# KiCad board KB-PCB-R02_KiCad.kicad_pcb (continued)
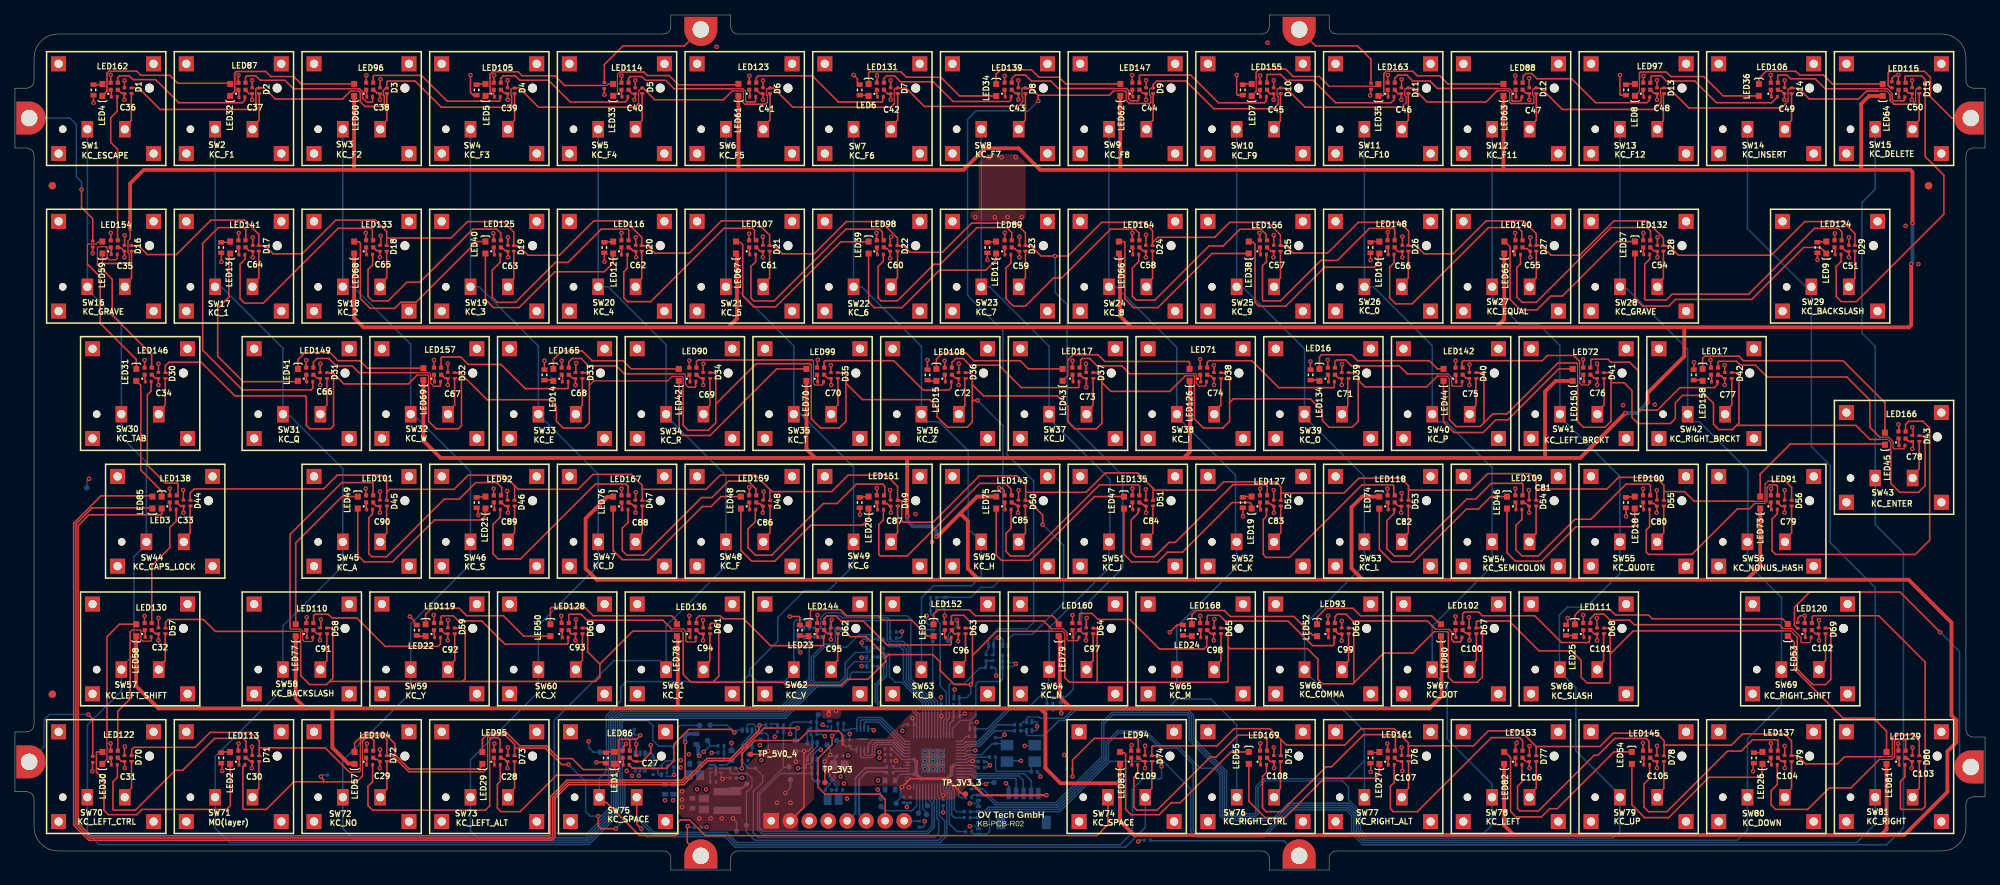
[diagram p0: board, top side]
## Placement (name value [footprint] x y rotation side) (continued)
LED142  SK6805-EC15  [LED 0606 RGB SK6805-EC15]  193.09 66.7 0 top
LED143  SK6805-EC15  [LED 0606 RGB SK6805-EC15]  132.79 49.63 0 top
LED144  SK6805-EC15  [LED 0606 RGB SK6805-EC15]  107.72 32.56 0 top
LED145  SK6805-EC15  [LED 0606 RGB SK6805-EC15]  218.16 15.48 0 top
LED146  SK6805-EC15  [LED 0606 RGB SK6805-EC15]  17.81 66.7 0 top
LED147  SK6805-EC15  [LED 0606 RGB SK6805-EC15]  149.86 104.81 0 top
LED148  SK6805-EC15  [LED 0606 RGB SK6805-EC15]  183.99 83.73 0 top
LED149  SK6805-EC15  [LED 0606 RGB SK6805-EC15]  39.42 66.7 0 top
LED150  SK6805-EC15  [LED 0606 RGB SK6805-EC15]  210.16 66.7 0 top
LED151  SK6805-EC15  [LED 0606 RGB SK6805-EC15]  115.72 49.63 0 top
LED152  SK6805-EC15  [LED 0606 RGB SK6805-EC15]  124.79 32.56 0 top
LED153  SK6805-EC15  [LED 0606 RGB SK6805-EC15]  201.09 15.48 0 top
LED154  SK6805-EC15  [LED 0606 RGB SK6805-EC15]  13.28 83.73 0 top
LED155  SK6805-EC15  [LED 0606 RGB SK6805-EC15]  166.94 104.81 0 top
LED156  SK6805-EC15  [LED 0606 RGB SK6805-EC15]  166.92 83.73 0 top
LED157  SK6805-EC15  [LED 0606 RGB SK6805-EC15]  56.5 66.7 0 top
LED158  SK6805-EC15  [LED 0606 RGB SK6805-EC15]  227.23 66.7 0 top
LED159  SK6805-EC15  [LED 0606 RGB SK6805-EC15]  98.64 49.63 0 top
LED160  SK6805-EC15  [LED 0606 RGB SK6805-EC15]  141.86 32.56 0 top
LED161  SK6805-EC15  [LED 0606 RGB SK6805-EC15]  184.01 15.48 0 top
LED162  SK6805-EC15  [LED 0606 RGB SK6805-EC15]  13.28 104.81 0 top
LED163  SK6805-EC15  [LED 0606 RGB SK6805-EC15]  184.01 104.81 0 top
LED164  SK6805-EC15  [LED 0606 RGB SK6805-EC15]  149.86 83.73 0 top
LED165  SK6805-EC15  [LED 0606 RGB SK6805-EC15]  73.57 66.7 0 top
LED166  SK6805-EC15  [LED 0606 RGB SK6805-EC15]  252.31 58.17 0 top
LED167  SK6805-EC15  [LED 0606 RGB SK6805-EC15]  81.57 49.63 0 top
LED168  SK6805-EC15  [LED 0606 RGB SK6805-EC15]  158.94 32.56 0 top
LED169  SK6805-EC15  [LED 0606 RGB SK6805-EC15]  166.94 15.48 0 top
MP1  Edge_2,2mm  [MP_Keyboard_EdgeMounts_2.2mm]  1.9 14.47 0 top
MP2  Edge_2,2mm  [MP_Keyboard_EdgeMounts_2.2mm]  1.9 100.56 0 top
MP3  Edge_2,2mm  [MP_Keyboard_EdgeMounts_2.2mm]  91.7 1.9 90 top
MP4  Edge_2,2mm  [MP_Keyboard_EdgeMounts_2.2mm]  171.7 1.9 90 top
MP5  Edge_2,2mm  [MP_Keyboard_EdgeMounts_2.2mm]  91.7 112.4 270 top
MP6  Edge_2,2mm  [MP_Keyboard_EdgeMounts_2.2mm]  171.7 112.4 270 top
MP7  Edge_2,2mm  [MP_Keyboard_EdgeMounts_2.2mm]  261.5 13.79 180 top
MP8  Edge_2,2mm  [MP_Keyboard_EdgeMounts_2.2mm]  261.5 100.56 180 top
Q2  PMG85XP  [TSOP65P210X110-6N]  83.56 14.51 270 bottom
Q3  PMZ130UNEYL  [DFN65P98X50-3N]  100.78 19.34 180 bottom
Q4  PMZ130UNEYL  [DFN65P98X50-3N]  86.84 12.75 180 bottom
R1  27R 1%  [RESC1005X04L]  117.01 12.99 0 bottom
R2  27R 1%  [RESC1005X04L]  117 13.8 0 bottom
R3  10k 1%  [RESC1005X04L]  117.42 31.02 180 bottom
R4  10k 1%  [RESC1005X04L]  125.9 20.51 0 bottom
R5  10k 1%  [RESC1005X04L]  132.45 27.89 180 bottom
R6  10k 1%  [RESC1005X04L]  138.38 21.43 180 bottom
R7  10k 1%  [RESC1005X04L]  122.8 35.53 180 bottom
R8  10k 1%  [RESC1005X04L]  130.75 28.39 270 bottom
R9  1k 1%  [RESC1005X04L]  130.72 15.11 0 bottom
R10  10k 1% DNP  [RESC1005X04L]  110.79 18.31 90 bottom
R11  1k 1%  [RESC1005X04L]  110.42 19.59 0 bottom
R12  0Ohm 1%  [RESC1005X04L]  10.4 14.81 90 top
R13  0Ohm 1%  [RESC1005X04L]  10.4 83.71 90 top
R14  0Ohm 1%  [RESC1005X04L]  91.28 5.7 180 bottom
R15  0Ohm 1%  [RESC1005X04L]  151.4 4.01 0 bottom
R16  0Ohm 1%  [RESC1005X04L]  78.8 104.91 90 top
R17  0Ohm 1%  [RESC1005X04L]  181.31 104.81 90 top
R18  0Ohm 1%  [RESC1005X04L]  238.36 32.72 270 top
R19  0Ohm 1%  [RESC1005X04L]  250.94 105 270 top
R20  100k 1%  [RESC1005X04L]  108.76 10.71 180 bottom
R21  100k 1%  [RESC1005X04L]  110.26 10.7 180 bottom
R22  113 Ohm 1%  [RESC1608X04L]  79 14.99 270 top
R23  113 Ohm 1%  [RESC1608X04L]  27.57 14.99 270 top
R24  113 Ohm 1%  [RESC1608X04L]  91.1 17.51 270 bottom
R25  113 Ohm 1%  [RESC1608X04L]  10.5 104.32 270 top
R26  113 Ohm 1%  [RESC1608X04L]  61.72 104.32 270 top
R27  113 Ohm 1%  [RESC1608X04L]  112.94 104.32 90 top
R28  113 Ohm 1%  [RESC1608X04L]  164.16 104.32 270 top
R29  113 Ohm 1%  [RESC1608X04L]  215.4 104.32 270 top
R30  113 Ohm 1%  [RESC1608X04L]  240.99 83.25 270 top
R31  113 Ohm 1%  [RESC1608X04L]  181.24 83.24 270 top
R32  113 Ohm 1%  [RESC1608X04L]  130.01 83.24 270 top
R33  113 Ohm 1%  [RESC1608X04L]  78.8 83.24 270 top
R34  113 Ohm 1%  [RESC1608X04L]  27.57 83.24 270 top
R35  113 Ohm 1%  [RESC1608X04L]  70.79 66.21 90 top
R36  113 Ohm 1%  [RESC1608X04L]  122.01 66.21 90 top
R37  113 Ohm 1%  [RESC1608X04L]  173.23 66.21 90 top
R38  113 Ohm 1%  [RESC1608X04L]  224.46 66.21 90 top
R39  113 Ohm 1%  [RESC1608X04L]  215.38 49.14 270 top
R40  113 Ohm 1%  [RESC1608X04L]  164.16 49.14 270 top
R41  113 Ohm 1%  [RESC1608X04L]  112.94 49.14 270 top
R42  113 Ohm 1%  [RESC1608X04L]  61.72 49.14 270 top
R43  113 Ohm 1%  [RESC1608X04L]  53.72 32.07 90 top
R44  113 Ohm 1%  [RESC1608X04L]  104.94 32.07 90 top
R45  113 Ohm 1%  [RESC1608X04L]  156.16 32.07 90 top
R46  113 Ohm 1%  [RESC1608X04L]  207.38 32.07 90 top
R47  113 Ohm 1%  [RESC1608X04L]  232.5 14.99 270 top
R48  113 Ohm 1%  [RESC1608X04L]  181.24 14.99 270 top
R49  10k 1%  [RESC1005X04L]  120.89 6.14 270 bottom
R50  100R 1%  [RESC1005X04L]  106.93 12.9 0 bottom
R51  100R 1%  [RESC1005X04L]  106.79 18.97 0 bottom
R52  47k 1%  [RESC1005X04L]  106.8 19.79 0 bottom
R53  47k 1%  [RESC1005X04L]  106.1 13.71 0 bottom
R54  88.7 Ohm 1%  [RESC1608X04L]  104.4 16.61 270 bottom
R55  47k 1%  [RESC1005X04L]  96 13.61 180 bottom
R56  750k 1%  [RESC1005X04L]  94.4 16.61 0 bottom
R57  100R 1%  [RESC1005X04L]  102.35 19.39 180 bottom
R58  68k 1%  [RESC1005X04L]  94.4 15.71 0 bottom
R59  47k 1%  [RESC1005X04L]  102.35 18.48 0 bottom
R60  100R 1%  [RESC1005X04L]  97.6 15.47 180 bottom
R61  470R 1%  [RESC1005X04L]  81.72 14.08 180 top
R62  470R 1%  [RESC1005X04L]  141 13.51 0 bottom
R63  100k 1%  [RESC1005X04L]  85.33 13.16 270 bottom
R64  100R 1%  [RESC1005X04L]  85.33 14.67 90 bottom
R65  100R 1%  [RESC1005X04L]  86.85 13.91 0 bottom
R66  47k 1%  [RESC1005X04L]  88.1 14.21 90 bottom
R67  470R 1%  [RESC1005X04L]  64.5 14.08 0 top
R68  470R 1%  [RESC1005X04L]  47.43 103.41 0 top
R69  470R 1%  [RESC1005X04L]  218.17 103.35 0 top
R70  470R 1%  [RESC1005X04L]  115.71 82.31 0 top
R71  470R 1%  [RESC1005X04L]  107.72 65.3 0 top
R72  470R 1%  [RESC1005X04L]  218.16 48.21 0 top
R73  470R 1%  [RESC1005X04L]  47.42 48.21 0 top
R74  470R 1%  [RESC1005X04L]  193.08 31.11 0 top
R75  470R 1%  [RESC1005X04L]  47.42 14.08 0 top
R76  470R 1%  [RESC1005X04L]  64.49 103.4 0 top
R77  470R 1%  [RESC1005X04L]  235.23 103.41 0 top
R78  470R 1%  [RESC1005X04L]  98.64 82.31 0 top
R79  470R 1%  [RESC1005X04L]  124.79 65.3 0 top
R80  470R 1%  [RESC1005X04L]  201.08 48.21 0 top
R81  470R 1%  [RESC1005X04L]  39.42 31.11 0 top
R82  470R 1%  [RESC1005X04L]  210.16 31.11 0 top
R83  470R 1%  [RESC1005X04L]  30.35 14.08 0 top
R84  470R 1%  [RESC1005X04L]  81.56 103.41 0 top
R85  470R 1%  [RESC1005X04L]  252.29 103.36 0 top
R86  470R 1%  [RESC1005X04L]  81.48 82.28 0 top
R87  470R 1%  [RESC1005X04L]  141.86 65.3 0 top
R88  470R 1%  [RESC1005X04L]  184.01 48.21 0 top
R89  470R 1%  [RESC1005X04L]  56.5 31.11 0 top
R90  470R 1%  [RESC1005X04L]  239.77 31.11 0 top
R91  470R 1%  [RESC1005X04L]  13.28 14.08 0 top
R92  470R 1%  [RESC1005X04L]  98.64 103.41 0 top
R93  470R 1%  [RESC1005X04L]  243.76 82.31 0 top
R94  470R 1%  [RESC1005X04L]  64.49 82.29 0 top
R95  470R 1%  [RESC1005X04L]  158.94 65.3 0 top
R96  470R 1%  [RESC1005X04L]  166.94 48.21 0 top
R97  470R 1%  [RESC1005X04L]  73.57 31.11 0 top
R98  470R 1%  [RESC1005X04L]  252.31 14.08 0 top
R99  470R 1%  [RESC1005X04L]  17.81 31.16 0 top
R100  470R 1%  [RESC1005X04L]  115.71 103.41 0 top
R101  470R 1%  [RESC1005X04L]  218.17 82.32 0 top
R102  470R 1%  [RESC1005X04L]  47.43 82.31 0 top
R103  470R 1%  [RESC1005X04L]  176.01 65.3 0 top
R104  470R 1%  [RESC1005X04L]  149.86 48.21 0 top
R105  470R 1%  [RESC1005X04L]  90.64 31.11 0 top
R106  470R 1%  [RESC1005X04L]  235.23 14.08 0 top
R107  470R 1%  [RESC1005X04L]  21.16 48.21 0 top
R108  470R 1%  [RESC1005X04L]  132.79 103.41 0 top
R109  470R 1%  [RESC1005X04L]  200.9 82.31 0 top
R110  470R 1%  [RESC1005X04L]  30.35 82.28 0 top
R111  470R 1%  [RESC1005X04L]  193.09 65.3 0 top
R112  470R 1%  [RESC1005X04L]  132.79 48.21 0 top
R113  470R 1%  [RESC1005X04L]  107.72 31.14 0 top
R114  470R 1%  [RESC1005X04L]  218.16 14.08 0 top
R115  470R 1%  [RESC1005X04L]  17.81 65.3 0 top
R116  470R 1%  [RESC1005X04L]  149.86 103.41 0 top
R117  470R 1%  [RESC1005X04L]  183.99 82.31 0 top
R118  470R 1%  [RESC1005X04L]  39.42 65.3 0 top
R119  470R 1%  [RESC1005X04L]  210.16 65.3 0 top
R120  470R 1%  [RESC1005X04L]  115.72 48.21 0 top
R121  470R 1%  [RESC1005X04L]  124.79 31.1 0 top
R122  470R 1%  [RESC1005X04L]  201.09 14.08 0 top
R123  470R 1%  [RESC1005X04L]  13.28 82.33 0 top
R124  470R 1%  [RESC1005X04L]  166.92 103.41 0 top
R125  470R 1%  [RESC1005X04L]  166.92 82.31 0 top
R126  470R 1%  [RESC1005X04L]  56.5 65.3 0 top
R127  470R 1%  [RESC1005X04L]  227.23 65.3 0 top
R128  470R 1%  [RESC1005X04L]  98.64 48.21 0 top
R129  470R 1%  [RESC1005X04L]  141.86 31.11 0 top
R130  470R 1%  [RESC1005X04L]  184.01 14.08 0 top
R131  470R 1%  [RESC1005X04L]  13.28 103.41 0 top
R132  470R 1%  [RESC1005X04L]  183.99 103.41 0 top
R133  470R 1%  [RESC1005X04L]  149.86 82.31 0 top
R134  470R 1%  [RESC1005X04L]  73.57 65.3 0 top
R135  470R 1%  [RESC1005X04L]  252.31 56.77 0 top
R136  470R 1%  [RESC1005X04L]  81.57 48.21 0 top
R137  470R 1%  [RESC1005X04L]  158.94 31.11 0 top
R138  470R 1%  [RESC1005X04L]  166.94 14.08 0 top
R139  470R 1%  [RESC1005X04L]  30.35 103.35 0 top
R140  470R 1%  [RESC1005X04L]  201.09 103.37 0 top
R141  470R 1%  [RESC1005X04L]  132.76 82.3 0 top
R142  470R 1%  [RESC1005X04L]  90.64 65.3 0 top
R143  470R 1%  [RESC1005X04L]  235.23 48.21 0 top
R144  470R 1%  [RESC1005X04L]  64.5 48.21 0 top
R145  470R 1%  [RESC1005X04L]  176.01 31.11 0 top
R146  470R 1%  [RESC1005X04L]  149.72 14.08 0 top
R147  300R 1%  [RESC1005X04L]  115.75 27.2 0 bottom
R148  300R 1%  [RESC1005X04L]  115.75 28.47 0 bottom
R149  300R 1%  [RESC1005X04L]  115.75 29.66 0 bottom
R150  300R 1%  [RESC1005X04L]  115.75 30.87 0 bottom
R151  300R 1%  [RESC1005X04L]  110.84 32.07 0 bottom
R152  300R 1%  [RESC1005X04L]  107.33 32.39 0 bottom
R153  300R 1%  [RESC1005X04L]  122.71 30.97 270 bottom
R154  300R 1%  [RESC1005X04L]  128 17.91 180 bottom
R155  300R 1%  [RESC1005X04L]  134.06 19.42 180 bottom
R156  300R 1%  [RESC1005X04L]  134.06 18.62 180 bottom
R157  300R 1%  [RESC1005X04L]  127.86 11.22 90 bottom
R158  300R 1%  [RESC1005X04L]  127.53 9.69 180 bottom
R159  300R 1%  [RESC1005X04L]  127.33 7.81 180 bottom
R160  300R 1%  [RESC1005X04L]  127.33 7.01 180 bottom
R161  300R 1%  [RESC1005X04L]  127.53 5.14 180 bottom
R162  300R 1%  [RESC1005X04L]  129.85 28.39 90 bottom
R163  300R 1%  [RESC1005X04L]  138.38 23.06 0 bottom
R164  300R 1%  [RESC1005X04L]  122.8 36.39 0 bottom
R165  300R 1%  [RESC1005X04L]  132.45 28.69 0 bottom
R166  300R 1%  [RESC1005X04L]  125.9 22.1 0 bottom
R167  300R 1%  [RESC1005X04L]  107.33 31.17 180 bottom
R168  47k 1%  [RESC1005X04L]  97.6 14.67 180 bottom
SW1  CPG1316S01D02  [SW_KEYBOARD_KAIHL-PG1316S]  12.19 101.81 0 top
SW2  CPG1316S01D02  [SW_KEYBOARD_KAIHL-PG1316S]  29.26 101.81 0 top
SW3  CPG1316S01D02  [SW_KEYBOARD_KAIHL-PG1316S]  46.33 101.81 0 top
SW4  CPG1316S01D02  [SW_KEYBOARD_KAIHL-PG1316S]  63.41 101.81 0 top
SW5  CPG1316S01D02  [SW_KEYBOARD_KAIHL-PG1316S]  80.48 101.81 0 top
SW6  CPG1316S01D02  [SW_KEYBOARD_KAIHL-PG1316S]  97.55 101.81 0 top
SW7  CPG1316S01D02  [SW_KEYBOARD_KAIHL-PG1316S]  114.63 101.81 0 top
SW8  CPG1316S01D02  [SW_KEYBOARD_KAIHL-PG1316S]  131.7 101.81 0 top
SW9  CPG1316S01D02  [SW_KEYBOARD_KAIHL-PG1316S]  148.77 101.81 0 top
SW10  CPG1316S01D02  [SW_KEYBOARD_KAIHL-PG1316S]  165.85 101.81 0 top
SW11  CPG1316S01D02  [SW_KEYBOARD_KAIHL-PG1316S]  182.92 101.81 0 top
SW12  CPG1316S01D02  [SW_KEYBOARD_KAIHL-PG1316S]  200.01 101.81 0 top
SW13  CPG1316S01D02  [SW_KEYBOARD_KAIHL-PG1316S]  217.09 101.81 0 top
SW14  CPG1316S01D02  [SW_KEYBOARD_KAIHL-PG1316S]  234.14 101.81 0 top
SW15  CPG1316S01D02  [SW_KEYBOARD_KAIHL-PG1316S]  251.22 101.81 0 top
SW16  CPG1316S01D02  [SW_KEYBOARD_KAIHL-PG1316S]  12.19 80.74 0 top
SW17  CPG1316S01D02  [SW_KEYBOARD_KAIHL-PG1316S]  29.26 80.74 0 top
SW18  CPG1316S01D02  [SW_KEYBOARD_KAIHL-PG1316S]  46.33 80.74 0 top
SW19  CPG1316S01D02  [SW_KEYBOARD_KAIHL-PG1316S]  63.41 80.74 0 top
SW20  CPG1316S01D02  [SW_KEYBOARD_KAIHL-PG1316S]  80.48 80.74 0 top
SW21  CPG1316S01D02  [SW_KEYBOARD_KAIHL-PG1316S]  97.55 80.74 0 top
SW22  CPG1316S01D02  [SW_KEYBOARD_KAIHL-PG1316S]  114.63 80.74 0 top
SW23  CPG1316S01D02  [SW_KEYBOARD_KAIHL-PG1316S]  131.7 80.74 0 top
SW24  CPG1316S01D02  [SW_KEYBOARD_KAIHL-PG1316S]  148.77 80.74 0 top
SW25  CPG1316S01D02  [SW_KEYBOARD_KAIHL-PG1316S]  165.85 80.74 0 top
SW26  CPG1316S01D02  [SW_KEYBOARD_KAIHL-PG1316S]  182.92 80.74 0 top
SW27  CPG1316S01D02  [SW_KEYBOARD_KAIHL-PG1316S]  200.01 80.74 0 top
SW28  CPG1316S01D02  [SW_KEYBOARD_KAIHL-PG1316S]  217.09 80.74 0 top
SW29  CPG1316S01D02  [SW_KEYBOARD_KAIHL-PG1316S]  242.68 80.74 0 top
SW30  CPG1316S01D02  [SW_KEYBOARD_KAIHL-PG1316S]  16.72 63.71 0 top
SW31  CPG1316S01D02  [SW_KEYBOARD_KAIHL-PG1316S]  38.33 63.71 0 top
SW32  CPG1316S01D02  [SW_KEYBOARD_KAIHL-PG1316S]  55.41 63.71 0 top
SW33  CPG1316S01D02  [SW_KEYBOARD_KAIHL-PG1316S]  72.48 63.71 0 top
SW34  CPG1316S01D02  [SW_KEYBOARD_KAIHL-PG1316S]  89.55 63.71 0 top
SW35  CPG1316S01D02  [SW_KEYBOARD_KAIHL-PG1316S]  106.63 63.71 0 top
SW36  CPG1316S01D02  [SW_KEYBOARD_KAIHL-PG1316S]  123.7 63.71 0 top
SW37  CPG1316S01D02  [SW_KEYBOARD_KAIHL-PG1316S]  140.77 63.71 0 top
SW38  CPG1316S01D02  [SW_KEYBOARD_KAIHL-PG1316S]  157.85 63.71 0 top
SW39  CPG1316S01D02  [SW_KEYBOARD_KAIHL-PG1316S]  174.92 63.71 0 top
SW40  CPG1316S01D02  [SW_KEYBOARD_KAIHL-PG1316S]  192 63.71 0 top
SW41  CPG1316S01D02  [SW_KEYBOARD_KAIHL-PG1316S]  209.07 63.71 0 top
SW42  CPG1316S01D02  [SW_KEYBOARD_KAIHL-PG1316S]  226.14 63.71 0 top
SW43  CPG1316S01D02  [SW_KEYBOARD_KAIHL-PG1316S]  251.22 55.17 0 top
SW44  CPG1316S01D02  [SW_KEYBOARD_KAIHL-PG1316S]  20.07 46.63 0 top
SW45  CPG1316S01D02  [SW_KEYBOARD_KAIHL-PG1316S]  46.33 46.63 0 top
SW46  CPG1316S01D02  [SW_KEYBOARD_KAIHL-PG1316S]  63.41 46.63 0 top
SW47  CPG1316S01D02  [SW_KEYBOARD_KAIHL-PG1316S]  80.48 46.63 0 top
SW48  CPG1316S01D02  [SW_KEYBOARD_KAIHL-PG1316S]  97.55 46.63 0 top
SW49  CPG1316S01D02  [SW_KEYBOARD_KAIHL-PG1316S]  114.63 46.63 0 top
SW50  CPG1316S01D02  [SW_KEYBOARD_KAIHL-PG1316S]  131.7 46.63 0 top
SW51  CPG1316S01D02  [SW_KEYBOARD_KAIHL-PG1316S]  148.77 46.63 0 top
SW52  CPG1316S01D02  [SW_KEYBOARD_KAIHL-PG1316S]  165.85 46.63 0 top
SW53  CPG1316S01D02  [SW_KEYBOARD_KAIHL-PG1316S]  182.92 46.63 0 top
SW54  CPG1316S01D02  [SW_KEYBOARD_KAIHL-PG1316S]  199.99 46.63 0 top
SW55  CPG1316S01D02  [SW_KEYBOARD_KAIHL-PG1316S]  217.07 46.63 0 top
SW56  CPG1316S01D02  [SW_KEYBOARD_KAIHL-PG1316S]  234.14 46.63 0 top
SW57  CPG1316S01D02  [SW_KEYBOARD_KAIHL-PG1316S]  16.72 29.56 0 top
SW58  CPG1316S01D02  [SW_KEYBOARD_KAIHL-PG1316S]  38.33 29.56 0 top
SW59  CPG1316S01D02  [SW_KEYBOARD_KAIHL-PG1316S]  55.41 29.56 0 top
SW60  CPG1316S01D02  [SW_KEYBOARD_KAIHL-PG1316S]  72.48 29.56 0 top
SW61  CPG1316S01D02  [SW_KEYBOARD_KAIHL-PG1316S]  89.55 29.56 0 top
SW62  CPG1316S01D02  [SW_KEYBOARD_KAIHL-PG1316S]  106.63 29.56 0 top
SW63  CPG1316S01D02  [SW_KEYBOARD_KAIHL-PG1316S]  123.7 29.56 0 top
SW64  CPG1316S01D02  [SW_KEYBOARD_KAIHL-PG1316S]  140.77 29.56 0 top
SW65  CPG1316S01D02  [SW_KEYBOARD_KAIHL-PG1316S]  157.85 29.56 0 top
SW66  CPG1316S01D02  [SW_KEYBOARD_KAIHL-PG1316S]  174.92 29.56 0 top
SW67  CPG1316S01D02  [SW_KEYBOARD_KAIHL-PG1316S]  191.99 29.56 0 top
SW68  CPG1316S01D02  [SW_KEYBOARD_KAIHL-PG1316S]  209.07 29.56 0 top
SW69  CPG1316S01D02  [SW_KEYBOARD_KAIHL-PG1316S]  238.68 29.56 0 top
SW70  CPG1316S01D02  [SW_KEYBOARD_KAIHL-PG1316S]  12.19 12.49 0 top
SW71  CPG1316S01D02  [SW_KEYBOARD_KAIHL-PG1316S]  29.26 12.49 0 top
SW72  CPG1316S01D02  [SW_KEYBOARD_KAIHL-PG1316S]  46.33 12.49 0 top
SW73  CPG1316S01D02  [SW_KEYBOARD_KAIHL-PG1316S]  63.41 12.49 0 top
SW74  CPG1316S01D02  [SW_KEYBOARD_KAIHL-PG1316S]  148.63 12.49 0 top
SW75  CPG1316S01D02  [SW_KEYBOARD_KAIHL-PG1316S]  80.63 12.49 0 top
SW76  CPG1316S01D02  [SW_KEYBOARD_KAIHL-PG1316S]  165.85 12.49 0 top
SW77  CPG1316S01D02  [SW_KEYBOARD_KAIHL-PG1316S]  182.92 12.49 0 top
SW78  CPG1316S01D02  [SW_KEYBOARD_KAIHL-PG1316S]  200 12.49 0 top
SW79  CPG1316S01D02  [SW_KEYBOARD_KAIHL-PG1316S]  217.07 12.49 0 top
SW80  CPG1316S01D02  [SW_KEYBOARD_KAIHL-PG1316S]  234.14 12.49 0 top
SW81  CPG1316S01D02  [SW_KEYBOARD_KAIHL-PG1316S]  251.22 12.49 0 top
TP_3V3  Testpoint 0.75mm  [TP_0.75mm]  108.3 11.71 90 top
TP_3V3_1  Testpoint 0.75mm  [TP_0.75mm]  117.8 8.91 0 bottom
TP_3V3_2  Testpoint 0.75mm  [TP_0.75mm]  109.84 17.32 0 bottom
TP_3V3_3  Testpoint 0.75mm  [TP_0.75mm]  127.05 10.16 180 top
TP_3V3_4  Testpoint 0.75mm  [TP_0.75mm]  108.6 16.71 0 bottom
TP_5V0_2  Testpoint 0.75mm  [TP_0.75mm]  96.48 5.18 90 bottom
TP_5V0_3  Testpoint 0.75mm  [TP_0.75mm]  103.7 12.11 90 bottom
TP_5V0_4  Testpoint 0.75mm  [TP_0.75mm]  98.35 15.47 90 top
TP_12V0  Testpoint 0.75mm  [TP_0.75mm]  92.6 17.31 90 bottom
TP_CAPS_CTRL  Testpoint 0.75mm  [TP_0.75mm]  103.5 13.81 90 bottom
TP_GND  Testpoint 0.75mm  [TP_0.75mm]  124.79 30.7 90 bottom
TP_GND_1  Testpoint 0.75mm  [TP_0.75mm]  9.6 51.11 0 bottom
TP_GND_2  Testpoint 0.75mm  [TP_0.75mm]  115.8 9.61 0 bottom
TP_GND_3  Testpoint 0.75mm  [TP_0.75mm]  130.91 11.7 0 bottom
TP_GND_4  Testpoint 0.75mm  [TP_0.75mm]  81.8 17.91 0 bottom
TP_IO26  Testpoint 0.75mm  [TP_0.75mm]  122 8.61 270 bottom
TP_IO27  Testpoint 0.75mm  [TP_0.75mm]  121.89 7.4 90 bottom
TP_IO28  Testpoint 0.75mm  [TP_0.75mm]  120.8 7.61 270 bottom
TP_IO29  Testpoint 0.75mm  [TP_0.75mm]  115.8 8.51 270 bottom
TP_LED-W_ON  Testpoint 0.75mm  [TP_0.75mm]  107.4 20.81 90 bottom
TP_LEDW-CTRL  Testpoint 0.75mm  [TP_0.75mm]  107.36 11.87 90 bottom
TP_RGB_CTRL  Testpoint 0.5mm  [TP_0.50mm]  99 13.61 90 bottom
TP_RGB_DATA  Testpoint 0.75mm  [TP_0.75mm]  92.94 19.39 90 bottom
TP_RGB_LED_OUT1  Testpoint 0.5mm  [TP_0.50mm]  82.8 18.81 90 bottom
TP_RGB_LED_OUT2  Testpoint 0.5mm  [TP_0.50mm]  41.8 12.71 0 bottom
TP_RGB_P  Testpoint 0.75mm  [TP_0.75mm]  78.2 15.76 90 bottom
TP_RGB_P_CRTL  Testpoint 0.75mm  [TP_0.75mm]  91.54 19.34 180 bottom
TP_SW  Testpoint 0.75mm  [TP_0.75mm]  97.86 11.49 90 bottom
TP_W-LED-P_ON  Testpoint 0.75mm  [TP_0.75mm]  97.8 6.01 90 bottom
U1  RP2040  [QFN40P700X700X90_HS-57M]  122.77 14.61 270 bottom
U2  TLV74033PDQNR  [X2SON-DFN]  109.26 12.01 270 bottom
U3  W25Q16JVUXIQ  [SON50P300X60_HS-9N]  113.3 17.51 270 bottom
U4  PMZ130UNEYL  [DFN65P98X50-3N]  108.92 19.53 90 bottom
U5  MP3438  [SOT583]  93.7 13.81 0 bottom
U6  74HC2G14GW-Q100  [TSOP65P210X110-6N#2]  97.9 17.61 90 bottom
U7  74HC2G14GW-Q100  [TSOP65P210X110-6N#2]  106.6 15.91 90 bottom
XTAL1  H130B-12.000-18-3030-TR  [XTAL_H130B-12.000-18-3030-TR]  134.5 15.61 180 bottom

## Footprints (pads in the part's own frame, mm; a bottom-side part is the same pattern mirrored in y, then rotated)
BOARD-BOARD CON SPRING-LOADED HEADER 8X2,54MM RECEPTABLE
  rect 2.08x2.08 hole 1: 1(-8.89,0)
  round 2.08 hole 1: 2(-6.35,0) 3(-3.81,0) 4(-1.27,0) 5(1.27,0) 6(3.81,0) 7(6.35,0) 8(8.89,0)
CAPC1005X06L
  rect 0.38x0.48 smd: 1(-0.395,0) 2(0.395,0)
CAPC1608X10L
  rect 0.63x0.8 smd: 1(-0.675,0) 2(0.675,0)
CAPC2012X14L
  rect 1.05x1.35 smd: 1(-0.725,0) 2(0.725,0)
DFN65P98X50-3N
  rrect 0.4x0.25 smd: 1(-0.325,0.225) 2(-0.325,-0.225)
  rrect 0.4x0.7 smd: 3(0.375,0)
DFN65P100X50-2N
  rect 0.4x0.7 smd: 1(-0.35,0) 2(0.35,0)
DFN65P100X50-2N#2
  rect 0.4x0.7 smd: 1(-0.35,0) 2(0.35,0)
DFN1006-2A
  rect 0.4x0.3 smd: 1(-0.4,0) 2(0.4,0)
  rect 0.3x0.55 smd: 1(-0.35,0) 2(0.35,0)
FD_1mm_Copper_3mm_Expansion
  round 1 smd: FD(0,0)
INDM4141X21N
  rect 1x3.8 smd: 1(-1.25,0) 2(1.25,0)
LED 0603
  rect 0.8x0.8 smd: 1(-0.8,0) 2(0.8,0)
LED 0606 RGB SK6805-EC15
  rect 0.55x0.55 smd: 1(-0.474,-0.475) 2(0.476,-0.469) 3(0.474,0.475) 4(-0.476,0.475)
MP_Keyboard_EdgeMounts_2.2mm
  custom 3.9x4.4 smd: (-1.7,-2.2)
  custom 3.9x4.4 smd far side: (-1.7,-2.2)
  round 2.2 hole 2.2: 1(0,0)
  round 0.025 smd: 1(0.25,0)
QFN40P700X700X90_HS-57M
  oval 0.875x0.2 smd: 1(-3.438,2.6) 2(-3.438,2.2) 3(-3.438,1.8) 4(-3.438,1.4) 5(-3.438,1) 6(-3.438,0.6) 7(-3.438,0.2) 8(-3.438,-0.2) 9(-3.438,-0.6) 10(-3.438,-1) 11(-3.438,-1.4) 12(-3.438,-1.8) 13(-3.438,-2.2) 14(-3.438,-2.6) 29(3.438,-2.6) 30(3.438,-2.2) 31(3.438,-1.8) 32(3.438,-1.4) 33(3.438,-1) 34(3.438,-0.6) 35(3.438,-0.2) 36(3.438,0.2) 37(3.438,0.6) 38(3.438,1) 39(3.438,1.4) 40(3.438,1.8) 41(3.438,2.2) 42(3.438,2.6)
  oval 0.2x0.875 smd: 15(-2.6,-3.438) 16(-2.2,-3.438) 17(-1.8,-3.438) 18(-1.4,-3.438) 19(-1,-3.438) 20(-0.6,-3.438) 21(-0.2,-3.438) 22(0.2,-3.438) 23(0.6,-3.438) 24(1,-3.438) 25(1.4,-3.438) 26(1.8,-3.438) 27(2.2,-3.438) 28(2.6,-3.438) 43(2.6,3.438) 44(2.2,3.438) 45(1.8,3.438) 46(1.4,3.438) 47(1,3.438) 48(0.6,3.438) 49(0.2,3.438) 50(-0.2,3.438) 51(-0.6,3.438) 52(-1,3.438) 53(-1.4,3.438) 54(-1.8,3.438) 55(-2.2,3.438) 56(-2.6,3.438)
  rect 3.2x3.2 smd: 57(0,0)
RESC1005X04L
  rect 0.38x0.48 smd: 1(-0.395,0) 2(0.395,0)
RESC1608X04L
  rect 0.6x0.8 smd: 1(-0.7,0) 2(0.7,0)
SON50P300X60_HS-9N
  rect 0.9x0.25 smd: 1(-1.395,0.75) 2(-1.395,0.25) 3(-1.395,-0.25) 4(-1.395,-0.75) 5(1.395,-0.75) 6(1.395,-0.25) 7(1.395,0.25) 8(1.395,0.75)
  rect 0.2x1.6 smd: 9(0,0)
SOT583
  rect 0.6x0.25 smd: 1(-0.7,0.75) 2(-0.7,0.25) 3(-0.7,-0.25) 4(-0.7,-0.75) 5(0.7,-0.75) 6(0.7,-0.25) 7(0.7,0.25) 8(0.7,0.75)
SW_KEYBOARD_KAIHL-PG1316S
  round 1 hole 1 unplated: (-5.8,-2.75)
  round 1.2 hole 1.2 unplated: (5.8,2.75)
  rect 1.55x2.2 hole 1.1: 1(-2.5,-2.75) 2(2.5,-2.75)
  rect 2x2 hole 1.1: MT(-6.35,6) MT(-6.35,-6) MT(6.35,6) MT(6.35,-6)
TP_0.50mm
  round 0.5 smd: TP(0,0)
TP_0.75mm
  round 0.75 smd: TP(0,0)
TSOP65P210X110-6N
  rect 0.8x0.45 smd: 1(-1.1,0.65) 2(-1.1,0) 3(-1.1,-0.65) 4(1.1,-0.65) 5(1.1,0) 6(1.1,0.65)
TSOP65P210X110-6N#2
  oval 0.8x0.45 smd: 1(-1.1,0.65) 2(-1.1,0) 3(-1.1,-0.65) 4(1.1,-0.65) 5(1.1,0) 6(1.1,0.65)
WIRE-TO-BOARD SM05B-SRSS-TB
  rect 0.6x1.55 smd: 1(2,-1.938) 2(1,-1.938) 3(0,-1.938) 4(-1,-1.938) 5(-2,-1.938)
  rect 1.2x1.8 smd: MT(-3.05,1.938) MT(3.05,1.938)
X2SON-DFN
  custom 0.46x0.31 smd: (-0.689,-0.48) (-0.689,0.48) (0.689,-0.48) (0.689,0.48)
  round 0.025 smd: 1(-0.549,0.325) 2(-0.549,-0.325) 3(0.549,-0.325) 4(0.549,0.325)
  rect 0.58x0.58 smd rot 135: 5(0,0)
XTAL_H130B-12.000-18-3030-TR
  rect 1.7x1.4 smd: 1(-1.85,-1.1) 2(1.85,-1.1) 3(1.85,1.1) 4(-1.85,1.1)

## Nets
3V3: C4.1 C5.1 C6.1 C7.1 C8.1 C9.1 C11.1 C12.1 C13.1 C14.1 C15.1 C18.1 J2_DBG.1 R10.1 R55.1 TP_3V3.TP TP_3V3_1.TP TP_3V3_2.TP TP_3V3_3.TP TP_3V3_4.TP U1.1 U1.10 U1.22 U1.33 U1.42 U1.43 U1.44 U1.48 U1.49 U2.1 U3.8
5V0: C10.1 C20.1 C21.1 C26.1 C52.1 C53.1 C115.1 C116.1 J_IN1.1 J_IN1.2 L1.1 Q2.4 R20.2 R54.2 R63.2 TP_5V0_2.TP TP_5V0_3.TP TP_5V0_4.TP U2.4 U5.8 U6.5 U7.5
5V0_EXT_EN: J_IN1.8 R49.1
12V0: C23.1 C24.1 R22.2 R23.2 R24.2 R25.2 R26.2 R27.2 R28.2 R29.2 R30.2 R31.2 R32.2 R33.2 R34.2 R35.2 R36.2 R37.2 R38.2 R39.2 R40.2 R41.2 R42.2 R43.2 R44.2 R45.2 R46.2 R47.2 R48.2 R56.1 TP_12V0.TP U5.2
GND: C1.2 C2.2 C3.2 C4.2 C5.2 C6.2 C7.2 C8.2 C9.2 C10.2 C11.2 C12.2 C13.2 C14.2 C15.2 C16.2 C17.2 C18.2 C19.2 C20.2 C21.2 C23.2 C24.2 C25.2 C26.2 C27.2 C28.2 C29.2 C30.2 C31.2 C32.2 C33.2 C34.2 C35.2 C36.2 C37.2 C38.2 C39.2 C40.2 C41.2 C42.2 C43.2 C44.2 C45.2 C46.2 C47.2 C48.2 C49.2 C50.2 C51.2 C52.2 C53.2 C54.2 C55.2 C56.2 C57.2 C58.2 C59.2 C60.2 C61.2 C62.2 C63.2 C64.2 C65.2 C66.2 C67.2 C68.2 C69.2 C70.2 C71.2 C72.2 C73.2 C74.2 C75.2 C76.2 C77.2 C78.2 C79.2 C80.2 C81.2 C82.2 C83.2 C84.2 C85.2 C86.2 C87.2 C88.2 C89.2 C90.2 C91.2 C92.2 C93.2 C94.2 C95.2 C96.2 C97.2 C98.2 C99.2 C100.2 C101.2 C102.2 C103.2 C104.2 C105.2 C106.2 C107.2 C108.2 C109.2 C110.2 C111.2 C112.2 C113.2 C114.2 C115.2 C116.2 D81.2 D82.2 D83.2 D84.2 D85.2 D86.2 D87.2 D88.2 D89.2 D90.2 D91.2 D92.2 D93.2 D94.2 D95.2 D96.2 D97.2 D98.2 D99.2 D100.2 D101.2 J2_DBG.5 J_IN1.3 J_IN1.4 LED86.4 LED87.4 LED88.4 LED89.4 LED90.4 LED91.4 LED92.4 LED93.4 LED94.4 LED95.4 LED96.4 LED97.4 LED98.4 LED99.4 LED100.4 LED101.4 LED102.4 LED104.4 LED105.4 LED106.4 LED107.4 LED108.4 LED109.4 LED110.4 LED111.4 LED113.4 LED114.4 LED115.4 LED116.4 LED117.4 LED118.4 LED119.4 LED120.4 LED122.4 LED123.4 LED124.4 LED125.4 LED126.4 LED127.4 LED128.4 LED129.4 LED130.4 LED131.4 LED132.4 LED133.4 LED134.4 LED135.4 LED136.4 LED137.4 LED138.4 LED139.4 LED140.4 LED141.4 LED142.4 LED143.4 LED144.4 LED145.4 LED146.4 LED147.4 LED148.4 LED149.4 LED150.4 LED151.4 LED152.4 LED153.4 LED154.4 LED155.4 LED156.4 LED157.4 LED158.4 LED159.4 LED160.4 LED161.4 LED162.4 LED163.4 LED164.4 LED165.4 LED166.4 LED167.4 LED168.4 LED169.4 Q3.2 Q4.2 R3.1 R4.2 R5.1 R6.1 R7.1 R8.1 R12.1 R13.1 R14.1 R15.1 R16.1 R17.1 R18.1 R19.1 R21.1 R49.2 R52.1 R53.1 R58.1 R59.1 R62.1 R66.1 R168.1 TP_GND.TP TP_GND_1.TP TP_GND_2.TP TP_GND_3.TP TP_GND_4.TP U1.19 U1.57 U2.2 U2.5 U3.4 U4.2 U5.4 U6.2 U7.2 XTAL1.2 XTAL1.4
/USB_BOOT: J_IN1.7 R11.1
NetC17_1: C17.1 R9.2 XTAL1.1
NetC22_1: C22.1 L1.2 TP_SW.TP U5.3
NetC22_2: C22.2 U5.1
NetC25_1: C25.1 U5.6
NetD1_1: D1.1 D2.1 D3.1 D4.1 D5.1 D6.1 D7.1 D8.1 D9.1 D10.1 D11.1 D12.1 D13.1 D14.1 D15.1 D96.1 R162.2
NetD1_2: D1.2 SW1.2
NetD2_2: D2.2 SW2.2
NetD3_2: D3.2 SW3.2
NetD4_2: D4.2 SW4.2
NetD5_2: D5.2 SW5.2
NetD6_2: D6.2 SW6.2
NetD7_2: D7.2 SW7.2
NetD8_2: D8.2 SW8.2
NetD9_2: D9.2 SW9.2
NetD10_2: D10.2 SW10.2
NetD11_2: D11.2 SW11.2
NetD12_2: D12.2 SW12.2
NetD13_2: D13.2 SW13.2
NetD14_2: D14.2 SW14.2
NetD15_2: D15.2 SW15.2
NetD16_1: D16.1 D17.1 D18.1 D19.1 D20.1 D21.1 D22.1 D23.1 D24.1 D25.1 D26.1 D27.1 D28.1 D29.1 D97.1 R163.2
NetD16_2: D16.2 SW16.2
NetD17_2: D17.2 SW17.2
NetD18_2: D18.2 SW18.2
NetD19_2: D19.2 SW19.2
NetD20_2: D20.2 SW20.2
NetD21_2: D21.2 SW21.2
NetD22_2: D22.2 SW22.2
NetD23_2: D23.2 SW23.2
NetD24_2: D24.2 SW24.2
NetD25_2: D25.2 SW25.2
NetD26_2: D26.2 SW26.2
NetD27_2: D27.2 SW27.2
NetD28_2: D28.2 SW28.2
NetD29_2: D29.2 SW29.2
NetD30_1: D30.1 D31.1 D32.1 D33.1 D34.1 D35.1 D36.1 D37.1 D38.1 D39.1 D40.1 D41.1 D42.1 D43.1 D98.1 R164.2
NetD30_2: D30.2 SW30.2
NetD31_2: D31.2 SW31.2
NetD32_2: D32.2 SW32.2
NetD33_2: D33.2 SW33.2
NetD34_2: D34.2 SW34.2
NetD35_2: D35.2 SW35.2
NetD36_2: D36.2 SW36.2
NetD37_2: D37.2 SW37.2
NetD38_2: D38.2 SW38.2
NetD39_2: D39.2 SW39.2
NetD40_2: D40.2 SW40.2
NetD41_2: D41.2 SW41.2
NetD42_2: D42.2 SW42.2
NetD43_2: D43.2 SW43.2
NetD44_1: D44.1 D45.1 D46.1 D47.1 D48.1 D49.1 D50.1 D51.1 D52.1 D53.1 D54.1 D55.1 D56.1 D99.1 R165.2
NetD44_2: D44.2 SW44.2
NetD45_2: D45.2 SW45.2
NetD46_2: D46.2 SW46.2
NetD47_2: D47.2 SW47.2
NetD48_2: D48.2 SW48.2
NetD49_2: D49.2 SW49.2
NetD50_2: D50.2 SW50.2
NetD51_2: D51.2 SW51.2
NetD52_2: D52.2 SW52.2
NetD53_2: D53.2 SW53.2
NetD54_2: D54.2 SW54.2
NetD55_2: D55.2 SW55.2
NetD56_2: D56.2 SW56.2
NetD57_1: D57.1 D58.1 D59.1 D60.1 D61.1 D62.1 D63.1 D64.1 D65.1 D66.1 D67.1 D68.1 D69.1 D100.1 R166.2
NetD57_2: D57.2 SW57.2
NetD58_2: D58.2 SW58.2
NetD59_2: D59.2 SW59.2
NetD60_2: D60.2 SW60.2
NetD61_2: D61.2 SW61.2
NetD62_2: D62.2 SW62.2
NetD63_2: D63.2 SW63.2
NetD64_2: D64.2 SW64.2
NetD65_2: D65.2 SW65.2
NetD66_2: D66.2 SW66.2
NetD67_2: D67.2 SW67.2
NetD68_2: D68.2 SW68.2
NetD69_2: D69.2 SW69.2
NetD70_1: D70.1 D71.1 D72.1 D73.1 D74.1 D75.1 D76.1 D77.1 D78.1 D79.1 D80.1 D101.1 R167.2
NetD70_2: D70.2 SW70.2
NetD71_2: D71.2 SW71.2
NetD72_2: D72.2 SW72.2
NetD73_2: D73.2 SW73.2
NetD74_2: D74.2 SW74.2 SW75.2
NetD75_2: D75.2 SW76.2
NetD76_2: D76.2 SW77.2
NetD77_2: D77.2 SW78.2
NetD78_2: D78.2 SW79.2
NetD79_2: D79.2 SW80.2
NetD80_2: D80.2 SW81.2
NetD81_1: D81.1 R147.1 SW1.1 SW16.1 SW30.1 SW44.1 SW57.1 SW70.1
NetD82_1: D82.1 R148.1 SW2.1 SW17.1 SW31.1 SW45.1 SW58.1 SW71.1
NetD83_1: D83.1 R149.1 SW3.1 SW18.1 SW32.1 SW46.1 SW59.1 SW72.1
NetD84_1: D84.1 R150.1 SW4.1 SW19.1 SW33.1 SW47.1 SW60.1 SW73.1
NetD85_1: D85.1 R151.1 SW5.1 SW20.1 SW34.1 SW48.1 SW61.1
NetD86_1: D86.1 R152.1 SW6.1 SW21.1 SW35.1 SW49.1 SW62.1 SW74.1 SW75.1
NetD87_1: D87.1 R153.1 SW7.1 SW22.1 SW36.1 SW50.1 SW63.1
NetD88_1: D88.1 R154.1 SW8.1 SW23.1 SW37.1 SW51.1 SW64.1
NetD89_1: D89.1 R155.1 SW9.1 SW24.1 SW38.1 SW52.1 SW65.1 SW76.1
NetD90_1: D90.1 R156.1 SW10.1 SW25.1 SW39.1 SW53.1 SW66.1 SW77.1
NetD91_1: D91.1 R157.1 SW11.1 SW26.1 SW40.1 SW54.1 SW67.1 SW78.1
NetD92_1: D92.1 R158.1 SW12.1 SW27.1 SW41.1 SW55.1 SW68.1 SW79.1
NetD93_1: D93.1 R159.1 SW13.1 SW28.1 SW42.1 SW56.1 SW69.1 SW80.1
